# Altium PCB roach2.PcbDoc (part 32 of 39)
Units mil, origin at the board's own origin, x right, y up, seen from the top; angles counter-clockwise.
Board outline 12007.87 x 9606.3 mil, 16 copper layers (L1_TOP, L2_G, L3_S, L4_G, L5_S, L6_P, L7_G, L8_R, L9_R, L10_P, L11_P, L12_S, L13_P, L14_S, L15_G, L16_BOT), stack 81.651 mil thick; 1608 components, 1934 nets, 9335 pads, 6759 vias.
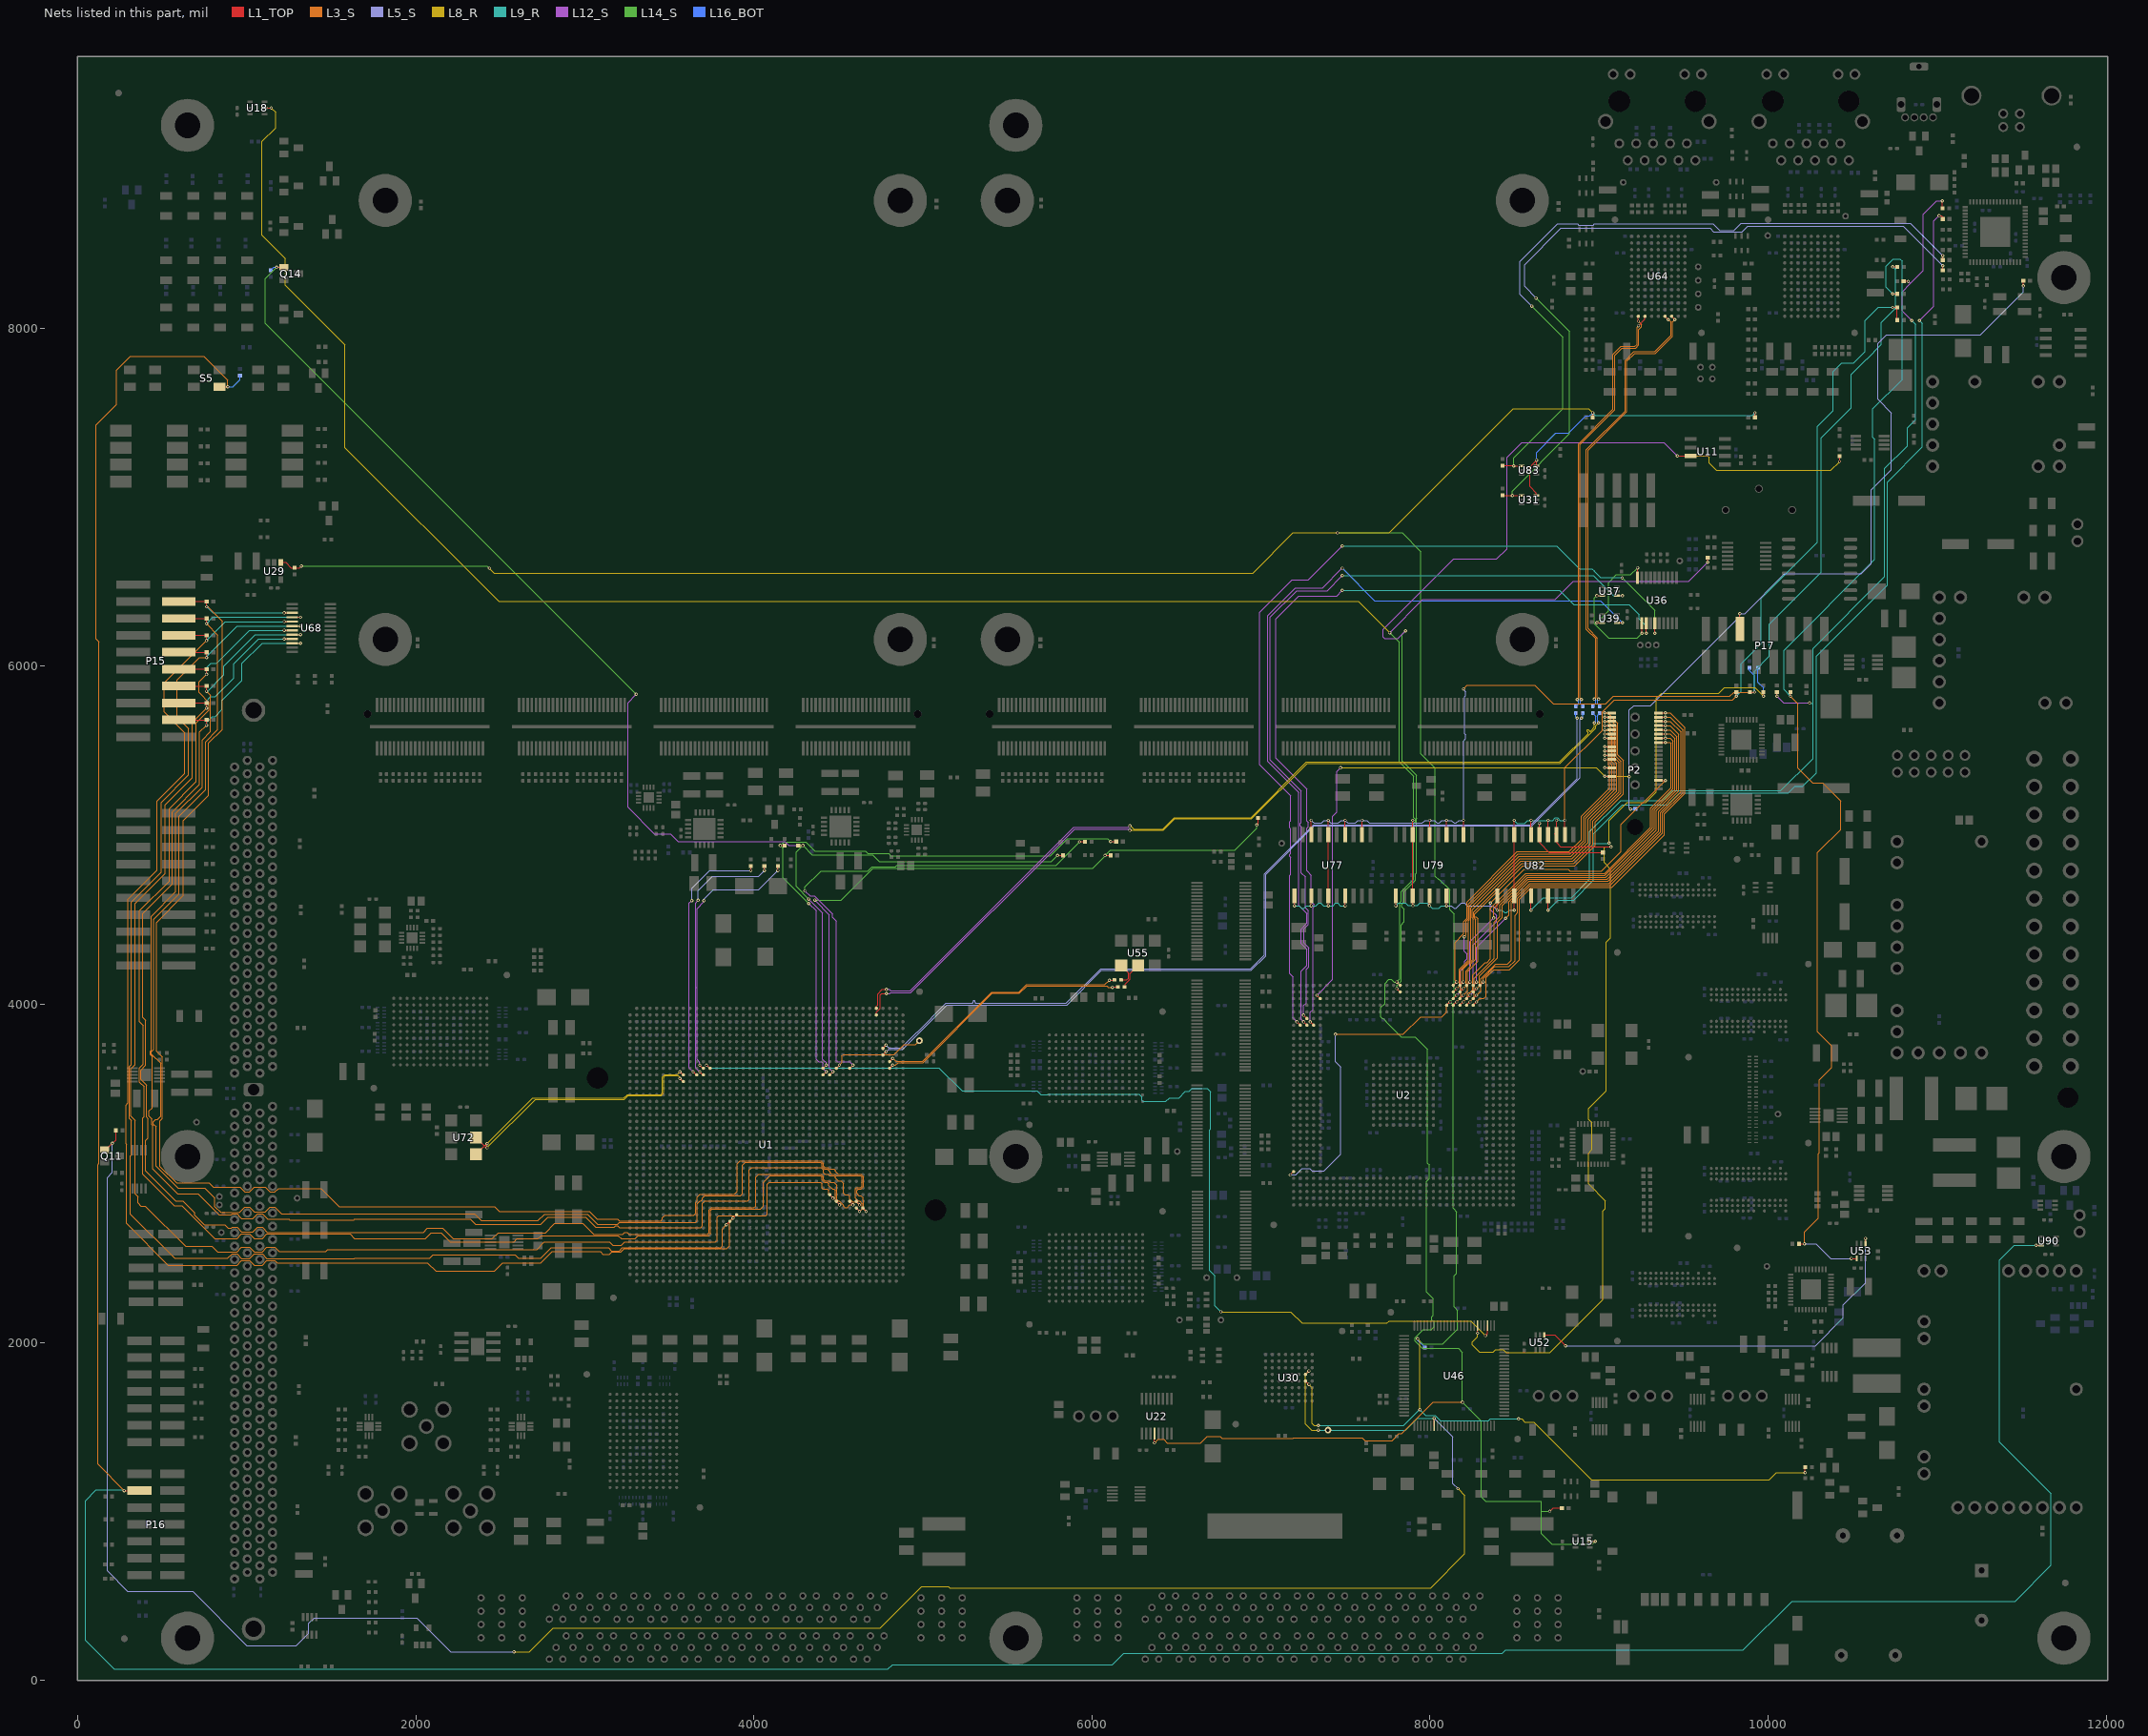
[diagram p46: the nets of this part, all layers, seen from the top]

## Via types
v1: diameter 19.4, hole 10, L1_TOP to L16_BOT, tented both sides, 3354 vias
v2: diameter 19.4, hole 10, L1_TOP to L16_BOT, 1884 vias
v3: diameter 19.4, hole 10, L1_TOP to L16_BOT, tented top, 410 vias
v4: diameter 18.6, hole 10, L1_TOP to L16_BOT, tented both sides, 311 vias
v5: diameter 59.06, hole 39.37, L1_TOP to L16_BOT, 217 vias
v6: diameter 19, hole 10, L1_TOP to L16_BOT, 198 vias
v7: diameter 19.4, hole 10.04, L1_TOP to L16_BOT, 125 vias
v8: diameter 19.4, hole 10, L1_TOP to L16_BOT, tented bottom, 80 vias
v9: diameter 25.98, hole 12.99, L1_TOP to L16_BOT, tented top, 59 vias
v10: diameter 20, hole 10, L1_TOP to L16_BOT, 52 vias
v11: diameter 59.06, hole 39.37, L1_TOP to L16_BOT, tented top, 44 vias
v12: diameter 20, hole 10, L1_TOP to L16_BOT, tented top, 16 vias
v13: diameter 19, hole 10, L1_TOP to L16_BOT, tented top, 5 vias
v14: diameter 50, hole 28, L1_TOP to L16_BOT, 4 vias

## Nets (pads, with @x,y where several pads share a name; then routed paths per layer and width w, separated by ;. In a path a pad name is that pad's centre, name@x,y a point inside that pad or via, vN(x,y) a via of type N, cw(c..) or ccw(c..) an arc to the next point about the centre after c; other vN are vias at no path point) (continued)
RESET_PBN: P16.12 R346.1 S5.1 U90.6 | length 23053.3
  L1_TOP w5: v2(275.03,1122.99) P16.12@365.55,1122.99 ; S5.1@837.99,7652.99 v2(887.93,7652.99) ; v2(11585.26,2574.41) U90.6@11616.69,2574.41
  L3_S w3.8: v2(275.03,1122.99) 118.99,1279.03 118.99,3051.15 126.4,3058.56 126.4,6143.48 108.56,6161.32 108.56,7428.56 228.99,7548.99 228.99,7752.99 310.99,7834.99 744.99,7834.99 887.93,7692.05 v2(887.93,7652.99)
  L9_R w5: v2(275.03,1122.99) 271.02,1127 109,1127 46,1064 46,237 216,67 4794,67 4820,93 6121,93 6189,161 8427,161 8447,181 9853,181 10141,469 11461,469 11673,681 11673,1105 11369,1409 11369,2488 11455.41,2574.41 v2(11585.26,2574.41)
  L16_BOT w5: v2(887.93,7652.99) 917.99,7652.99 960,7695 R346.1@960,7720.31
RTC_IRQN: R90.1 U2.U33 U11.7 | length 6138.7
  L1_TOP w5: v1(7803.62,4092.91) U2.U33@7823.31,4073.23 ; v2(9463.48,7244) U11.7@9540.64,7244 ; v2(10422.99,7211.88) R90.1@10422.99,7243.31
  L8_R w3.8: v2(9463.48,7244) 9643.98,7244 9650.99,7236.99 9650.99,7203.34 9693.34,7160.99 10372.11,7160.99 v2(10422.99,7211.88)
  L12_S w3.8: v2(7854.99,6208.99) 7810.99,6164.99 7730.99,6164.99 7722.99,6172.99 7722.99,6218.99 8138.99,6634.99 8394.99,6634.99 8455,6695 8455,7235 8542.99,7322.99 9384.49,7322.99 v2(9463.48,7244)
  L14_S w3.8: v1(7803.62,4092.91) 7803.62,4110.22 7828.79,4135.39 7828.79,4470.79 7846.99,4488.99 7846.99,4562.25 7832.39,4576.85 7832.39,4589.77 7846.99,4604.37 7846.99,4667.06 7913.39,4733.46 7913.39,4769.93 7919.59,4776.13 7919.59,5076.93 7921.39,5078.73 7921.39,5098.12 7919.59,5099.92 7919.59,5355.54 7834.79,5440.34 7834.79,6188.79 v2(7854.99,6208.99)
SGMII_ACTX_N: C704.2 U64.A3 | length 2638.8
  L1_TOP w5: U64.A3@9429.13,8070.87 v1(9448.82,8051.18)
  L3_S w3.8: v2(8997.69,5805.12) 8989.89,5812.92 8989.89,6167.95 8934.99,6222.85 8934.99,7276.99 9164.79,7506.79 9164.79,7804.99 9210.79,7850.99 9333.05,7850.99 9434.79,7952.73 9434.79,8037.15 v1(9448.82,8051.18)
  L16_BOT w5: v2(8997.69,5805.12) 8997.11,5805.7 8990.49,5805.7 8990.49,5805.12 8990.49,5802.47 8990.93,5802.04 8990.93,5778.71 C704.2@9004.98,5764.66
SGMII_ACTX_P: C703.2 U64.A4 | length 2637
  L1_TOP w5: U64.A4@9389.76,8070.87 v1(9409.45,8051.18)
  L3_S w3.8: v2(8972.29,5805.12) 8980.09,5812.92 8980.09,6163.89 8925.19,6218.79 8925.19,7281.05 9154.99,7510.85 9154.99,7809.05 9206.73,7860.79 9328.99,7860.79 9424.99,7956.79 9424.99,8035.64 v1(9409.45,8051.18) v1@9410.99,8049.64
  L16_BOT w5: C703.2@8964.99,5764.65 8979.93,5779.58 8979.93,5797.14 8979.49,5797.58 8979.49,5797.92 v2(8972.29,5805.12)
SGMII_CLKAC_N: C505.1 U55.4 | length 141.4
  L1_TOP w5: C505.1@6172.68,4144.8 6206.8,4144.8 6216.99,4154.99 6216.99,4185.17 U55.4@6172.99,4229.17 U55.4@6172.68,4228.86
SGMII_CLKAC_P: C508.1 U55.5 | length 159.4
  L1_TOP w5: C508.1@6192.68,4102.99 6196.99,4107.31 6196.99,4118.99 6225.99,4147.99 6225.99,4182.17 U55.5@6272.99,4229.17
SGMII_CLKREF_N: C505.2 U1.C9 | length 1543.6
  L1_TOP w5: U1.C9@4802.25,3659.88 4803.47,3661.1 v1(4821.94,3679.57) ; v2@6104.99,4142.99 6133.31,4142.99 C505.2@6133.31,4144.8
  L3_S w3.8: v1@4822.84,3681.1 4823.16,3680.79 4839.97,3663.97 4998.46,3663.97 5407.49,4072.99 5568.99,4072.99 5612.79,4116.79 6076.79,4116.79 v2(6102.99,4142.99)
SGMII_CLKREF_P: C508.2 U1.C10 | length 1552.7
  L1_TOP w5: U1.C10@4802.25,3620.51 4803.47,3621.73 v1(4821.94,3640.2) ; v2@6124.99,4102.99 C508.2@6153.31,4102.99
  L3_S w3.8: v1(4821.94,3640.2) 4839.25,3640.2 4854.85,3655.8 5001.32,3655.8 5410.72,4065.19 5572.22,4065.19 5616.02,4108.99 6088.99,4108.99 6096.99,4100.99 v2(6120.99,4100.99)
SGMII_RX_AC_N: C488.1 U1.D8 | length 5476.8
  L1_TOP w5: U1.D8@4762.88,3699.25 4764.1,3700.47 v1(4782.57,3718.94)
  L5_S w3.8: v1(4782.57,3718.94) 4798.17,3734.54 4879.74,3734.54 5141.26,3996.06 5852.44,3996.06 6057.17,4200.79 6942.99,4200.79 7029.48,4287.28 7029.48,4769.55 7314.93,5054.99 8602.99,5054.99 8887.75,5339.75 8887.75,5685.11 v2(8895.55,5692.91)
  L16_BOT w5: v2(8895.55,5692.91) 8902.99,5700.35 C488.1@8902.99,5723.31
SGMII_RX_AC_P: C486.1 U1.D7 | length 5476.8
  L1_TOP w5: U1.D7@4762.88,3738.62 4764.1,3739.84 v1(4782.57,3758.31)
  L5_S w3.8: v1(4782.57,3758.31) 4798.54,3742.34 4870.54,3742.34 4963.99,3835.79 4967.13,3835.79 5137.2,4005.86 5290.6,4005.86 ccw(c5290.6,4011.76) 5296.5,4011.76 5296.5,4016.29 cw(c5302.4,4016.29) 5302.4,4022.19 cw(c5302.4,4016.29) 5308.3,4016.29 5308.3,4011.76 ccw(c5314.2,4011.76) 5314.2,4005.86 5848.38,4005.86 6053.11,4210.59 6938.93,4210.59 7019.68,4291.34 7019.68,4771.65 7310.82,5062.79 8596.93,5062.79 8870.15,5336.01 v2(8870.15,5692.91) ; v1@4783.47,3759.84 v1@4783.78,3759.53
  L16_BOT w5: C486.1@8862.99,5723.31 8862.99,5700.07 v2(8870.15,5692.91)
SGMII_RX_N: C488.2 U64.A8 | length 2531.3
  L1_TOP w5: U64.A8@9232.28,8070.87 9232.28,8041.7 v2(9232.99,8040.99)
  L3_S w3.8: v2(8895.69,5803.15) 8887.89,5810.95 8887.89,7311.89 9092.79,7516.79 9092.79,7840.79 9134.99,7882.99 9217.05,7882.99 9234.79,7900.73 9234.79,7991.9 9250.59,8007.7 9250.59,8023.39 v2(9232.99,8040.99)
  L16_BOT w5: v2(8895.69,5803.15) 8895.11,5803.73 8888.49,5803.73 8888.49,5803.15 8888.49,5800.51 8888.93,5800.07 8888.93,5776.74 C488.2@8902.99,5762.68
SGMII_RX_P: C486.2 U64.A7 | length 2531.9
  L1_TOP w5: v2(9232.99,8014.99) 9271.65,8053.65 U64.A7@9271.65,8070.87
  L3_S w3.8: v2(8870.29,5803.15) 8878.09,5810.95 8878.09,7315.95 9082.99,7520.85 9082.99,7844.85 9130.93,7892.79 9212.99,7892.79 9224.99,7904.79 9224.99,8006.99 v2(9232.99,8014.99)
  L16_BOT w5: C486.2@8862.99,5762.68 8877.93,5777.61 8877.93,5795.18 8877.49,5795.61 8877.49,5795.95 v2(8870.29,5803.15)
SGMII_TX_N: C704.1 U1.E2 | length 5125.4
  L1_TOP w5: U1.E2@4724.41,3937.01 4724.41,3953.27 4747.24,3976.1 4747.24,4055.78 4755.46,4063.99 v1(4784.24,4063.99)
  L8_R w3.8: v2(6224.41,5029.64) 6423.64,5029.64 6490.99,5096.99 6945.02,5096.99 7273.02,5424.99 8770.02,5424.99 8980.31,5635.28 8980.31,5647.75 v2(8997.91,5665.35)
  L12_S w3.8: v1(4784.24,4063.99) 4804.15,4063.99 4810.06,4069.9 4929.26,4069.9 5896.8,5037.44 6216.61,5037.44 v2(6224.41,5029.64)
  L16_BOT w5: v2(8997.91,5665.35) 8990.71,5672.55 8990.71,5711.03 C704.1@9002.99,5723.31
SGMII_TX_P: C703.1 U1.E1 | length 5125.4
  L1_TOP w5: U1.E1@4724.41,3976.38 4724.41,3988.99 4732.24,3996.83 4732.24,4061.99 4758.24,4087.99 v1(4784.24,4087.99)
  L8_R w3.8: v2(6224.41,5055.04) 6228.94,5055.04 6246.54,5037.44 6420.41,5037.44 6487.76,5104.79 6941.79,5104.79 7269.99,5432.99 8766.99,5432.99 8934.32,5600.32 ccw(c8930.15,5604.5) 8934.32,5608.67 8929.51,5613.49 cw(c8933.68,5617.66) 8929.51,5621.83 cw(c8933.68,5617.66) 8937.85,5621.83 8942.67,5617.01 ccw(c8946.84,5621.18) 8951.01,5617.01 8972.51,5638.51 v2(8972.51,5665.35)
  L12_S w3.8: v1(4784.24,4087.99) 4801.77,4087.99 4810.06,4079.7 4925.2,4079.7 5892.74,5047.24 6216.61,5047.24 v2(6224.41,5055.04)
  L16_BOT w5: C703.1@8962.99,5723.31 8962.99,5721.45 8979.71,5704.72 8979.71,5672.55 v2(8972.51,5665.35)
SM_DBUSY: U1.AK10 U46.78 | length 6178.3
  L1_TOP w5: v1@3720.63,3640.36 U1.AK10@3740,3620.99 ; v2(8328,2040) 8339.84,2051.84 U46.78@8339.84,2099.25
  L8_R w3.8: v2(6763,2181) 7177,2181 7244.61,2113.39 7745.39,2113.39 7758,2126 8242,2126 v2(8328,2040)
  L9_R w3.8: v1(3719.63,3639.36) 3734.39,3624.6 5094.4,3624.6 5232,3487 5675,3487 5697.6,3464.4 5736.46,3464.4 5740.06,3468 6278.47,3468 6295.13,3451.34 6295.13,3432.87 6302,3426 6437,3426 6458,3447 6516,3447 6553.12,3484.12 6576.35,3484.12 6593.23,3501 6683,3501 6700.8,3483.2 6700.8,3261.3 6697,3257.5 6697,2425 6728.59,2393.41 6728.59,2215.41 v2(6763,2181)
SM_DIN: TP1.1 U1.L10 | length 582.8
  L1_TOP w5: U1.L10@4488.19,3622.05 v1(4506.66,3640.52)
  L3_S w3.8: v1(4506.66,3640.52) 4522.58,3656.43 4522.58,3696.58 4529.34,3703.34 4829.34,3703.34 4888,3762 4957,3762 TP1.1@4980,3785
SM_DONE: Q14.1 R148.2 R261.1 R460.2 U1.N10 | length 8400.7
  L1_TOP w5: v2(1177.42,8360.39) Q14.1@1219.68,8360.39 ; R261.1@4262.99,4939.31 v2(4289.65,4939.31) ; U1.N10@4408.55,3620.51 4409.77,3621.73 v1(4428.24,3640.2) ; v2@5796.99,4880.99 R148.2@5829.31,4880.99
  L12_S w3.8: v2(3304.99,5834.99) 3254.99,5784.99 3254.99,5164.99 3410.99,5008.99 3506.99,5008.99 3552.99,4962.99 4182.99,4962.99 4206.68,4939.31 v2(4289.65,4939.31) ; v2(4324.99,4622.99) 4406.99,4540.99 4406.99,3674.99 4428.24,3653.75 v1(4428.24,3640.2)
  L14_S w3.8: v2(1177.42,8360.39) 1110.99,8293.96 1110.99,8028.99 v2(3304.99,5834.99) ; v2(4324.99,4622.99) 4250.99,4696.99 4250.99,4900.65 v2(4289.65,4939.31) 4344.54,4884.42 4701.56,4884.42 4740.99,4844.99 5760.99,4844.99 v2(5796.59,4880.59)
  L16_BOT w5: R460.2@1142.99,8342.68 1160.71,8360.39 v2(1177.42,8360.39)
SM_INITN: R147.2 R259.1 U1.N11 | length 3594.4
  L1_TOP w5: v3(4156.33,4939.31) R259.1@4182.99,4939.31 ; U1.N11@4408.55,3581.14 4409.77,3582.36 v1(4428.24,3600.83) ; v2@6110.99,4962.99 R147.2@6143.31,4962.99
  L12_S w3.8: v2(4324.99,4596.99) 4368.99,4552.99 4368.99,3674.99 4384.99,3658.99 4400.99,3658.99 4408.99,3650.99 4408.99,3620.07 v1(4428.24,3600.83)
  L14_S w3.8: v2(4324.99,4596.99) 4172.99,4748.99 4172.99,4922.65 v3(4156.33,4939.31) 4178.02,4960.99 4306.99,4960.99 4360.99,4906.99 4658.99,4906.99 4673.76,4892.22 4797.76,4892.22 4810.99,4878.99 5754.99,4878.99 5856.99,4980.99 6092.19,4980.99 v2(6110.59,4962.59)
SM_MODE0: R256.2 U1.AL11 | length 1583.4
  L1_TOP w5: v1(3680.2,3600.83) 3699.57,3581.46 U1.AL11@3699.89,3581.14 ; v2(4061.99,4791.65) R256.2@4061.99,4818.31
  L5_S w3.8: v2(3670.99,4614.99) 3670.99,4672.99 3754.99,4756.99 4027.34,4756.99 v2(4061.99,4791.65)
  L12_S w3.8: v2(3670.99,4614.99) 3656.43,4600.43 3656.43,4098.77 3657.33,4097.87 3657.33,3792.75 3656.43,3791.85 3656.43,3624.6 v1(3680.2,3600.83)
SM_MODE1: R254.1 U1.AM11 | length 1549.5
  L1_TOP w5: v1(3640.83,3600.83) 3660.2,3581.46 U1.AM11@3660.52,3581.14 ; v2(3981.99,4791.65) R254.1@3981.99,4818.31
  L5_S w3.8: v2(3632.99,4612.99) 3632.99,4686.99 3737.65,4791.65 v2(3981.99,4791.65)
  L12_S w3.8: v2(3632.99,4612.99) 3617.96,4597.96 3617.96,3792.75 3617.06,3791.85 3617.06,3624.6 v1(3640.83,3600.83)
SM_MODE2: R253.1 U1.AL10 | length 1559.8
  L1_TOP w5: v1(3680.2,3640.2) U1.AL10@3699.57,3620.83 ; v2(4141.99,4791.65) R253.1@4141.99,4818.31
  L5_S w3.8: v2(3704.99,4612.99) 3704.99,4622.99 3760.99,4678.99 4029.34,4678.99 v2(4141.99,4791.65)
  L12_S w3.8: 3664.6,3788.99 3664.6,3673.11 3680.2,3657.51 v1(3680.2,3640.2) ; 3664.6,4102.16 3664.6,4566.6 v2@3704.99,4606.99 ; 3665.13,3789.52 3665.13,4101.63
SM_PROGN: R144.2 R258.1 U1.M11 | length 3977.3
  L1_TOP w5: U1.M11@4447.92,3581.14 4449.14,3582.36 v1(4467.61,3600.83) ; v2@6077.99,4880.99 R144.2@6110.31,4880.99 ; v2(6974.99,5060.99) 6983.31,5069.31 R258.1@6983.31,5102.99
  L12_S w3.8: v2(4360.99,4616.99) 4360.99,4614.99 4446.99,4528.99 4446.99,3621.44 v1(4467.61,3600.83)
  L14_S w3.8: v2(4360.99,4616.99) 4516.99,4616.99 4704.99,4804.99 6005,4804.99 6077.59,4877.58 v2(6077.59,4880.59) 6109.99,4912.99 6846.99,4912.99 6974.99,5040.99 v2(6974.99,5060.99)
SM_RDWRN: R143.2 U1.J10 | length 3022.3
  L1_TOP w5: U1.J10@4566.03,3620.51 4567.25,3621.73 v1(4585.72,3640.2) ; v2@5926.99,4961.99 R143.2@5959.31,4961.99
  L12_S w3.8: v2(4302.99,4670.99) 4332.99,4640.99 4359.05,4640.99 4464.99,4535.05 4464.99,4514.99 4488.99,4490.99 4488.99,3666.99 4496.99,3658.99 4566.92,3658.99 v1(4585.72,3640.2)
  L14_S w3.8: v2(4302.99,4670.99) 4302.99,4694.99 4396.99,4788.99 4674.99,4788.99 4695.56,4809.56 4695.67,4809.56 4698.89,4812.79 4830.99,4812.79 4831.59,4813.39 4837.45,4813.39 4847.05,4822.99 5787.99,4822.99 v2(5926.59,4961.59)
SYS_CLK_N: U1.AP12 U72.4 | length 1500.4
  L1_TOP w5: U72.4@2356.81,3112.99 2402.31,3158.49 2414.79,3158.49 v2(2421.99,3151.29) ; v1(3562.09,3561.46) 3581.46,3542.09 U1.AP12@3581.78,3541.77
  L3_S w3.8: v2(2421.99,3151.29) v2@2421.99,3159.09
  L8_R w3.8: v2(2421.99,3151.29) 2707.89,3437.19 3234.6,3437.19 3256.36,3458.95 3453.3,3458.95 3467.38,3473.02 3467.38,3567.55 3476.89,3577.06 3550.93,3577.06 v1@3562.99,3564.99
SYS_CLK_P: U1.AP11 U72.5 | length 1486.8
  L1_TOP w5: U72.5@2356.81,3212.99 2402.31,3167.49 2414.79,3167.49 v2(2421.99,3174.69) ; v1(3562.09,3600.83) 3581.46,3581.46 U1.AP11@3581.78,3581.14
  L8_R w3.8: v2(2421.99,3174.69) 2692.29,3444.99 3231.37,3444.99 3253.13,3466.75 3450.07,3466.75 3459.58,3476.25 3459.58,3570.78 3473.66,3584.86 3546.12,3584.86 v1(3562.09,3600.83)
SYS_PORN: R20.2 R81.1 R231.1 R359.1 R402.1 U2.A6 U2.AD31 U29.1 U30.B5 U31.6 U83.6 | length 21404
  L1_TOP w5: U29.1@1200.39,6614.17 1229.81,6614.17 1261.31,6582.68 R81.1@1282.99,6582.68 1312.68,6582.68 v2(1322.99,6592.99) ; v1(7173.7,2990.55) U2.A6@7193.39,3010.24 ; U30.B5@7263.78,1771.65 v1(7283.47,1751.97) ; U2.AD31@8098.9,3994.49 v1(8118.58,4014.17) ; U31.6@8628.31,7010.59 8628.31,7025.69 8590,7064 8590,7180 v6(8630,7220) 8630,7187.28 U83.6@8628.31,7185.59 ; R402.1@8962.68,7472.99 v2(8962.68,7498.99) v2@8962.68,7500.99 ; R231.1@9922.68,7472.99 v2(9922.68,7499.57) ; v2(10219.31,1229.18) R20.2@10219.31,1261.18
  L3_S w5: v6(7440.94,3822.83) 7842.52,3822.83 7944.88,3925.2 8070.87,3925.2 8098.43,3952.76 8098.43,3994.02 v1(8118.58,4014.17)
  L5_S w5: v1(7173.7,2990.55) 7207.09,2990.55 7244.09,3027.56 7287.4,3027.56 7301.24,3013.72 7371.99,3013.72 7472.44,3114.17 7472.44,3629.92 7440.94,3661.42 v6(7440.94,3822.83)
  L8_R w3.8: v6(2435,6580) 2464.01,6550.99 6952.99,6550.99 7190.99,6788.99 v2(7452.99,6788.99) 7758.99,6788.99 8492.99,7522.99 8938.68,7522.99 v2(8962.68,7498.99) ; v1(7283.47,1751.97) 7302.99,1732.44 7302.99,1520.99 7314.99,1508.99 v2(7338.99,1508.99) ; v2(7926.46,2021.07) 7940.99,2006.54 v2(7940.99,1600.99)
  L8_R w5: v2(8522.99,1546.99) 8542.99,1546.99 8560.99,1528.99 8612.99,1528.99 8954.99,1186.99 10006.99,1186.99 10049.18,1229.18 v2(10219.31,1229.18)
  L9_R w3.8: v2(7338.99,1508.99) 7844.99,1508.99 v2@7936.99,1600.99 ; v2(7940.99,1600.99) 7974.44,1567.54 8031.34,1567.54 8062.54,1536.34 8346.3,1536.34 8356.95,1546.99 v2(8522.99,1546.99) ; v2(8962.68,7498.99) 8978.45,7483.22 9906.32,7483.22 v2(9922.68,7499.57)
  L14_S w3.8: v2(1322.99,6592.99) 2422.01,6592.99 v6(2435,6580) ; v2(7452.99,6788.99) 7835.01,6788.99 7945.39,6678.61 7945.39,5481.53 8030.19,5396.73 8030.19,4787.91 ; v2(7926.46,2021.07) 7956.54,1990.99 8075.92,1990.99 8163.31,2078.38 8163.31,2188.99 8142.99,2209.31 8142.99,2392.89 8158.42,2408.32 8158.42,2771.17 8135.97,2793.62 8135.97,3996.78 v1(8118.58,4014.17) 8142.35,4037.94 8142.35,4533.63 8116.99,4558.99 8116.99,4677.06 8053.45,4740.59 8048.7,4740.59 8031.39,4757.9 8031.39,4786.71
  L16_BOT w5: v2(7926.46,2021.07) 7926.46,2013.86 R359.1@7970.31,1970 ; v6(8630,7220) 8630,7265 8745,7380 8820,7380 8920,7480 8943.69,7480 v2(8962.68,7498.99)
SYS_TCK: R49.1 R462.2 R474.1 U77.2 U77.4 U77.6 U77.8 U77.11 U77.13 U77.15 U77.17 U79.2 U79.4 U79.6 | length 8178.4
  L1_TOP w5: v2(7197.99,4583.31) U77.11@7197.99,4641.89 ; v2(7297.99,4583.31) U77.13@7297.99,4641.89 ; U77.8@7297.99,5004.09 v2(7297.99,5088.42) ; v2(7397.99,4583.31) U77.15@7397.99,4641.89 U77.6@7397.99,5004.09 v2(7397.99,5088.42) ; v2(7497.99,4583.31) U77.17@7497.99,4641.89 ; U77.4@7497.99,5004.09 v2(7497.99,5088.42) ; U77.2@7597.99,5004.09 v2(7597.99,5088.42) ; U79.6@7997.99,5004.09 v2(7997.99,5088.42) ; U79.4@8097.99,5004.09 v2(8097.99,5088.42) ; U79.2@8197.99,5004.09 v2(8197.99,5088.42) ; R474.1@9894.99,5846.99 v3(9918.99,5846.99) v3@9920.99,5846.99 ; v2(10736.72,8362.99) R462.2@10763.31,8362.99
  L3_S w3.8: v2(8197.99,5865.99) 8218.99,5886.99 8618.99,5886.99 8728.99,5776.99 9038.99,5776.99 9084.99,5822.99 9772.99,5822.99 9796.99,5846.99 v3(9918.99,5846.99)
  L5_S w3.8: v2(7297.99,5088.42) 7313.59,5072.82 7358.82,5072.82 7374.42,5088.42 v2(7397.99,5088.42) 7413.59,5072.82 7458.82,5072.82 7474.42,5088.42 v2(7497.99,5088.42) 7513.59,5072.82 7558.82,5072.82 7574.42,5088.42 v2(7597.99,5088.42) 7625.93,5088.42 7641.53,5072.82 7954.45,5072.82 7970.05,5088.42 v2(7997.99,5088.42) 8025.93,5088.42 8041.53,5072.82 8054.45,5072.82 8070.05,5088.42 v2(8097.99,5088.42) 8125.93,5088.42 8141.53,5072.82 8154.45,5072.82 8170.05,5088.42 v2(8197.99,5088.42) 8197.99,5557.93 8211.88,5571.82 8211.88,5593.88 8205.68,5600.08 8205.68,5820.62 8211.88,5826.82 8211.88,5848.88 8197.99,5862.77 v2(8197.99,5865.99)
  L9_R w3.8: v2(7197.99,4583.31) 7225.93,4583.31 7241.53,4567.71 7254.45,4567.71 7270.05,4583.31 v2(7297.99,4583.31) 7325.93,4583.31 7341.53,4598.91 7354.45,4598.91 7370.05,4583.31 v2(7397.99,4583.31) 7425.93,4583.31 7441.53,4598.91 7454.45,4598.91 7470.05,4583.31 v2(7497.99,4583.31) ; v3(9918.99,5846.99) 9918.99,5970.99 10006.99,6058.99 10006.99,6248.99 10312.99,6554.99 10312.99,7350.99 10490.99,7528.99 10490.99,7726.16 10583.11,7818.28 10584.28,7818.28 10668.99,7902.99 10668.99,8033.2 10752.32,8116.53 10752.32,8122.32 10752.99,8122.99 10752.99,8346.72 v2(10736.72,8362.99)
  L16_BOT w5: R49.1@9890,5990.31 9890,5973 9918.99,5944.01 v3(9918.99,5846.99)
SYS_TDI: R288.2 R461.1 R472.1 U82.15 | length 6331.6
  L1_TOP w5: v3(8597.99,4557.56) U82.15@8597.99,4641.89 ; v3@10052.99,5820.77 v3(10052.99,5822.77) R472.1@10052.99,5846.77 ; R461.1@10802.68,8278 10828,8278 v2(10829,8277) ; R288.2@11031,8709 v2(11031,8753)
  L9_R w5: v3(8597.99,4557.56) 8670.43,4630 8835.39,4630 8945,4739.61 8945,5020.99 9129.01,5205 9375,5205 9435,5265 10075,5265 10265,5455 10265,5782 ; v6@10246,5782 10265,5782 ; v2(10850,8045) 10872.56,8022.44 10872.56,7457.56 10825,7410 10825,7305 10690,7170 10690,6530 10265,6105 10265,5782
  L12_S w3.8: v2(10829,8277) 10831,8277 10843,8265 ; v2(10850,8045) 10792.99,8102.01 10792.99,8214.99 10843,8265 ; v2(11031,8753) 10998,8753 10918.99,8673.99 10918.99,8340.99 10843,8265
  L12_S w5: v3(10052.99,5822.77) 10092.76,5783 v6(10245,5783)
SYS_TDO: R467.1 R471.1 R489.2 U53.4 | length 7175
  L1_TOP w5: v3@10132.28,5820.77 v3(10132.28,5822.77) R471.1@10132.28,5846.77 ; R489.2@10182.68,2582.99 v2(10214.99,2582.99) ; v2(10492.98,2496.69) U53.4@10524.41,2496.69 ; v2(10736.73,8202.99) R467.1@10763.31,8202.99
  L3_S w3.8: v3(10132.28,5822.77) 10177,5778.05 10177,5396.98 10264.19,5309.79 10322.26,5309.79 10429.79,5202.26 10429.79,5033.62 10309.93,4913.77 10309.08,4913.77 10292.77,4897.46 10292.77,3837.28 10376.41,3753.64 10376.41,3627.1 10302.59,3553.28 10302.59,3120.19 10296.99,3114.59 10296.99,2734.99 10214.99,2652.99 v2(10214.99,2582.99)
  L5_S w3.94: v2(10214.99,2582.99) 10284.01,2582.99 10370.31,2496.69 v2(10492.98,2496.69)
  L9_R w3.8: v3(10132.28,5822.77) 10092.99,5862.06 10092.99,6094.99 10630.99,6632.99 10630.99,7342.98 10619.05,7354.92 10619.05,7523.05 10792.99,7696.99 10792.99,8396.99 10780.99,8408.99 10738.99,8408.99 10696.99,8366.99 10696.99,8242.73 v2(10736.73,8202.99)
SYS_TDO_INT: U52.1 U53.1 | length 2419.2
  L1_TOP w5: U52.1@8675.59,2043.15 8738.85,2043.15 v6(8802,1980) ; U53.1@10575.59,2583.31 v2(10575.59,2614.74)
  L5_S w5: v6(8802,1980) 10280,1980 10445,2145 10445,2221 10575.59,2351.59 v2(10575.59,2614.74)
SYS_TMS: R451.1 R465.2 R475.1 U79.8 U79.11 U79.13 U79.15 U79.17 U82.2 U82.4 U82.6 U82.8 U82.11 U82.13 | length 7128.7
  L1_TOP w5: v3(7797.99,4583.31) U79.11@7797.99,4641.89 ; U79.13@7897.99,4641.89 U79.8@7897.99,5004.09 v2(7897.99,5088.42) ; v3(7898.99,4584.41) U79.13@7898.99,4641.89 ; v3(7996.99,4584.41) U79.15@7996.99,4641.89 ; v3(8097.99,4583.31) U79.17@8097.99,4641.89 ; v2(8397.99,4557.56) U82.11@8397.99,4641.89 ; v2(8497.99,4557.56) U82.13@8497.99,4641.89 U82.8@8497.99,5004.09 v2(8497.99,5088.42) ; U82.6@8597.99,5004.09 v2(8597.99,5088.42) ; U82.4@8697.99,5004.09 v2(8697.99,5088.42) ; U82.2@8797.99,5004.09 v2(8797.99,5088.42) ; v3@9812.28,5820.77 v3(9812.28,5822.77) R475.1@9812.28,5846.77 ; v2(10736.72,8122.99) R465.2@10763.31,8122.99 R451.1@10763.31,8047.99